# Altium PCB NumPad.PcbDoc (part 1 of 2)
Units mil, origin at the board's own origin, x right, y up, seen from the top; angles counter-clockwise.
Board outline 3157.48 x 3907.56 mil, 2 copper layers (Top Layer, Bottom Layer), stack 61.756 mil thick; 124 components, 83 nets, 462 pads, 233 vias.
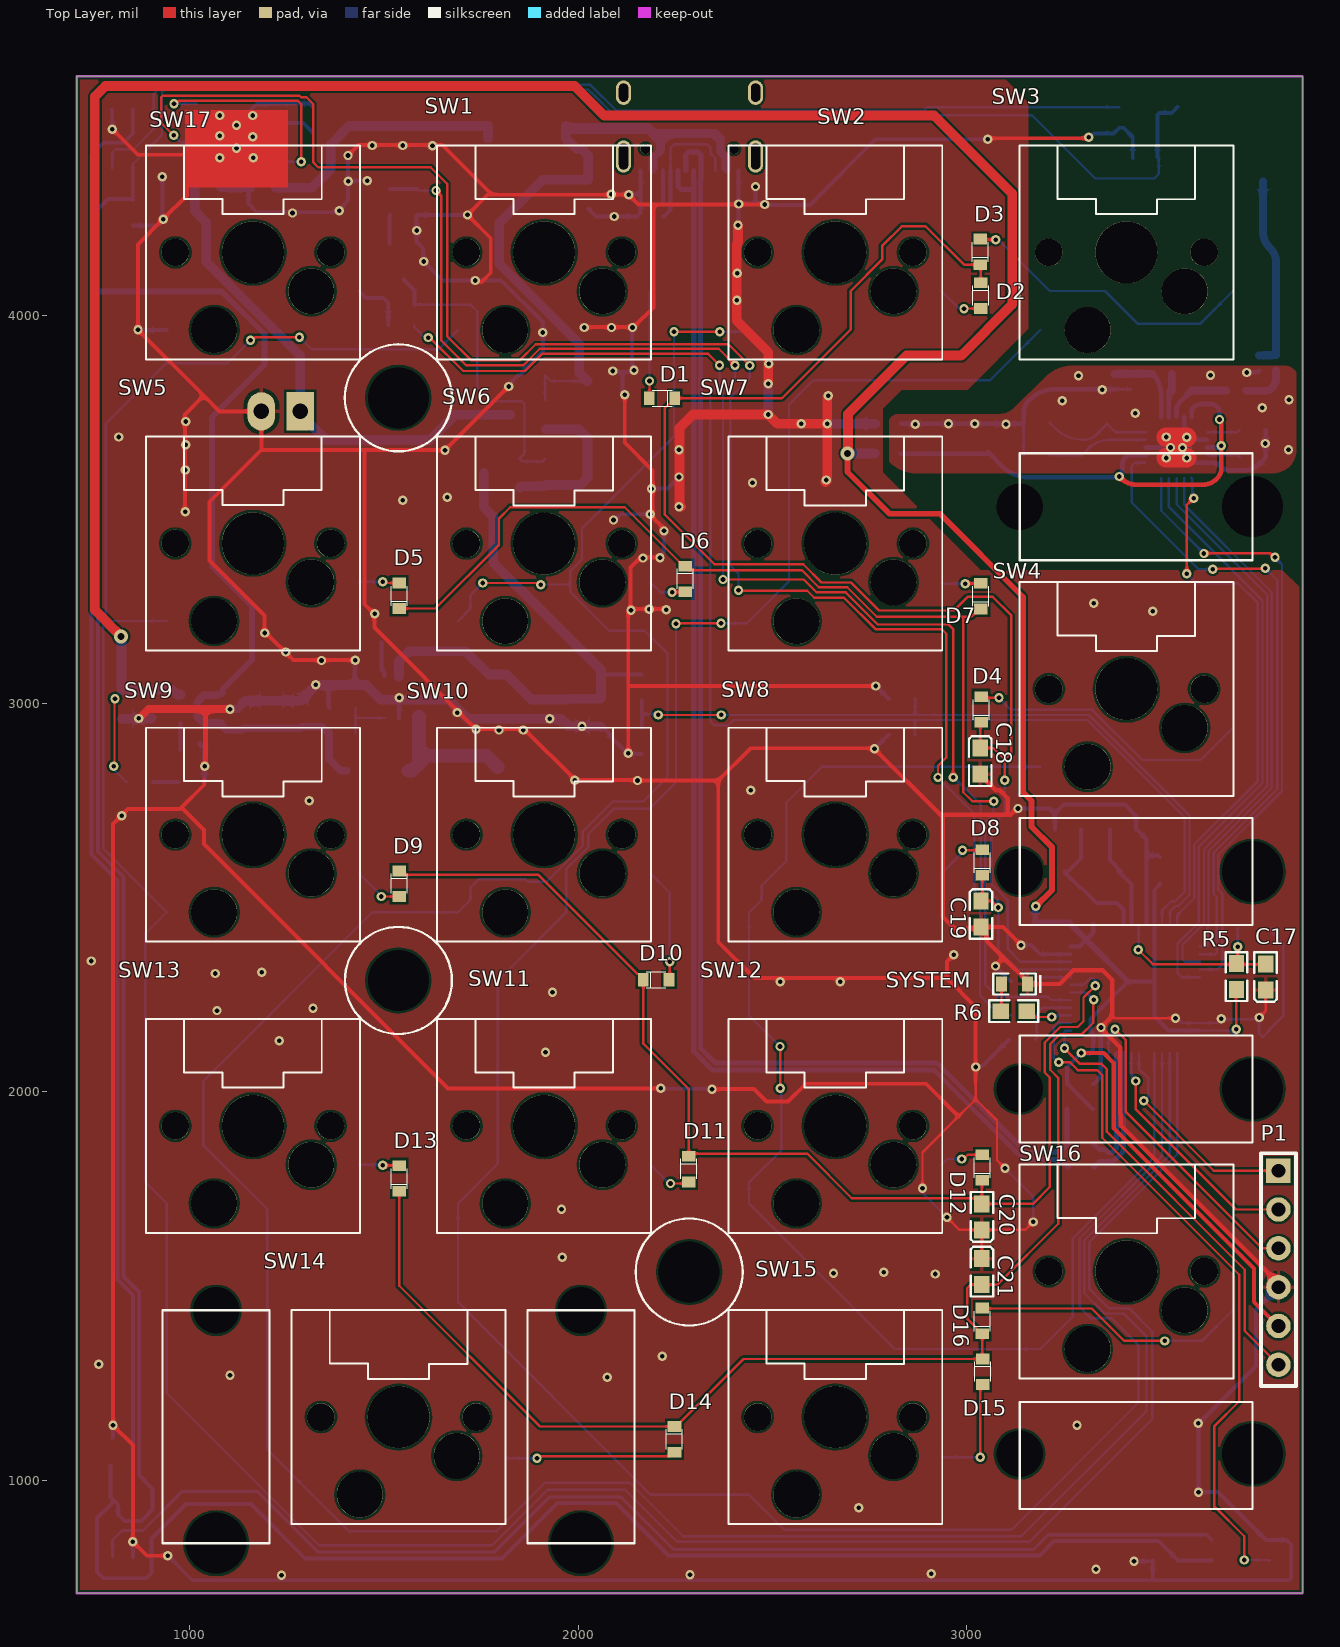
[diagram p0: Top Layer view]
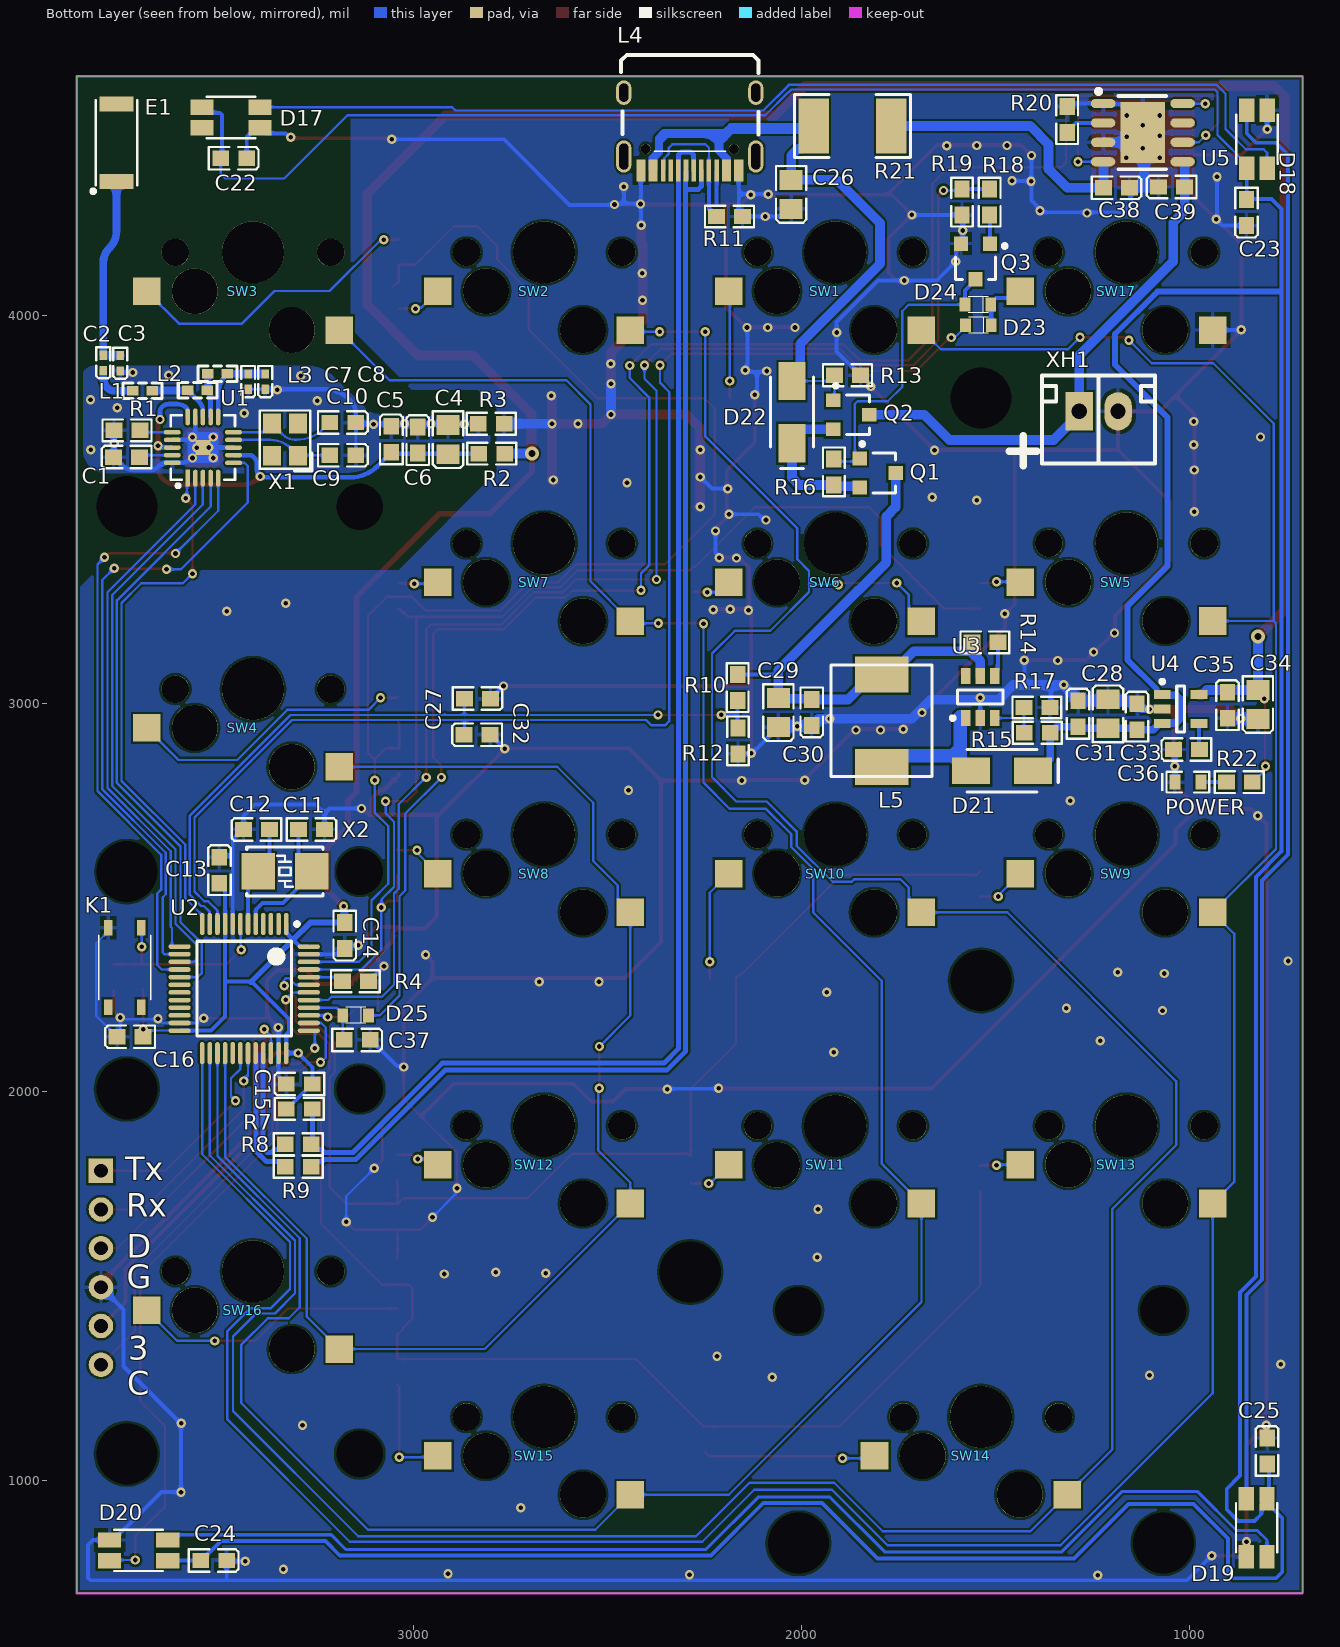
[diagram p1: Bottom Layer view, seen from below]
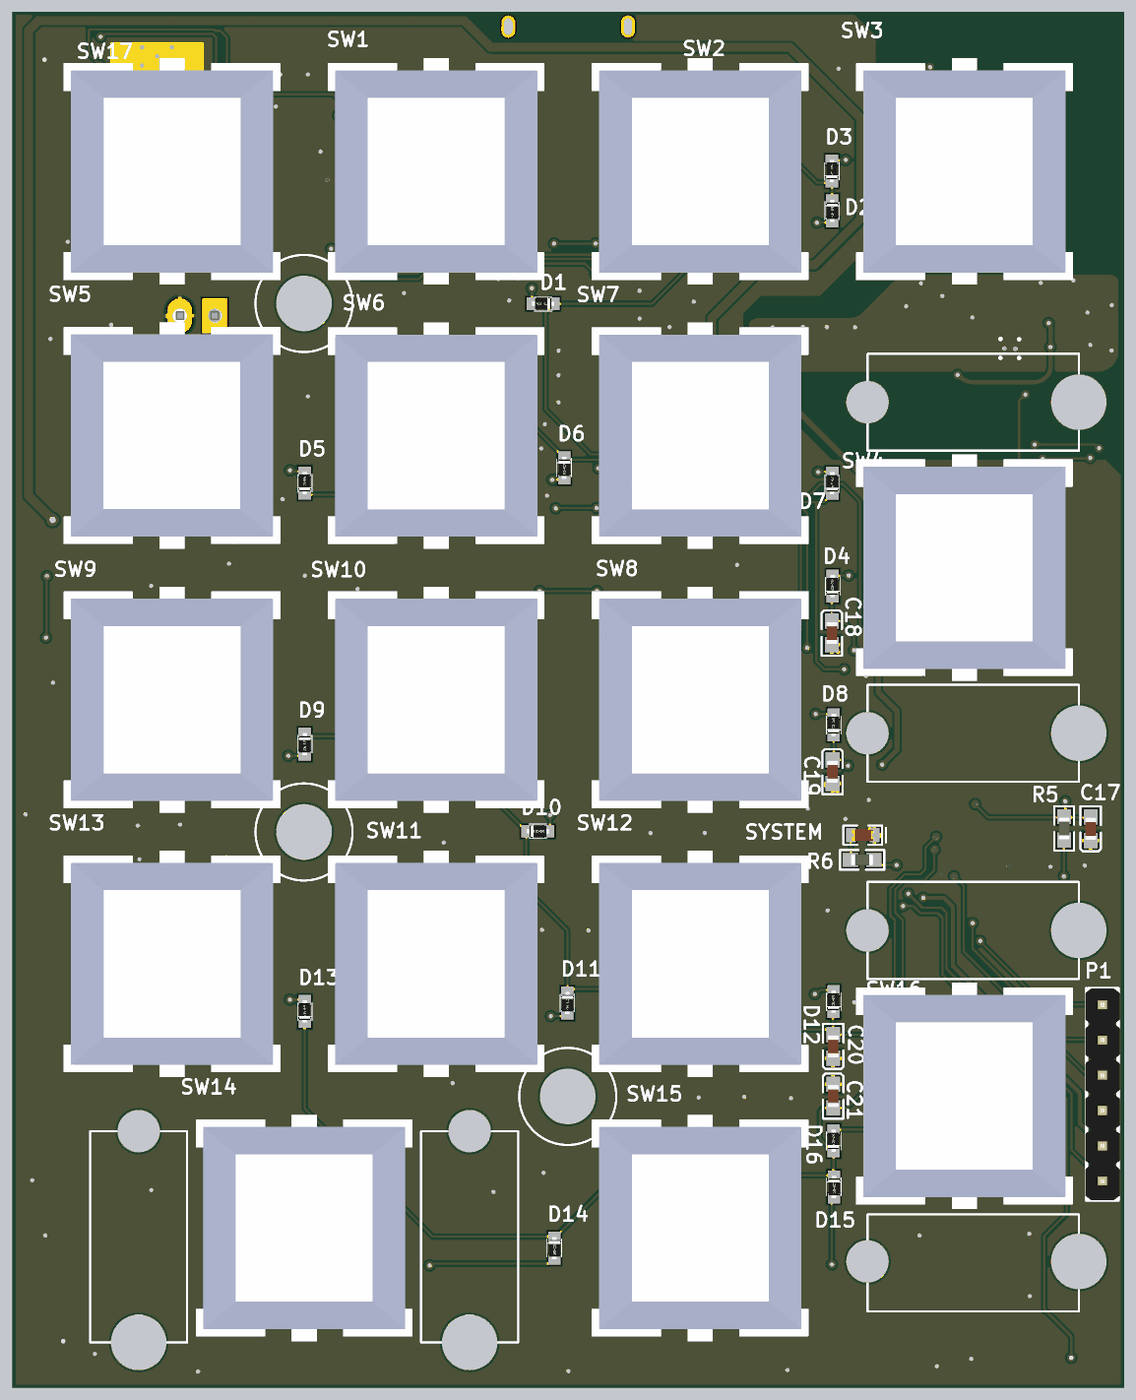
[diagram p3: 3D render of the assembled board from above, using the file's embedded part models]
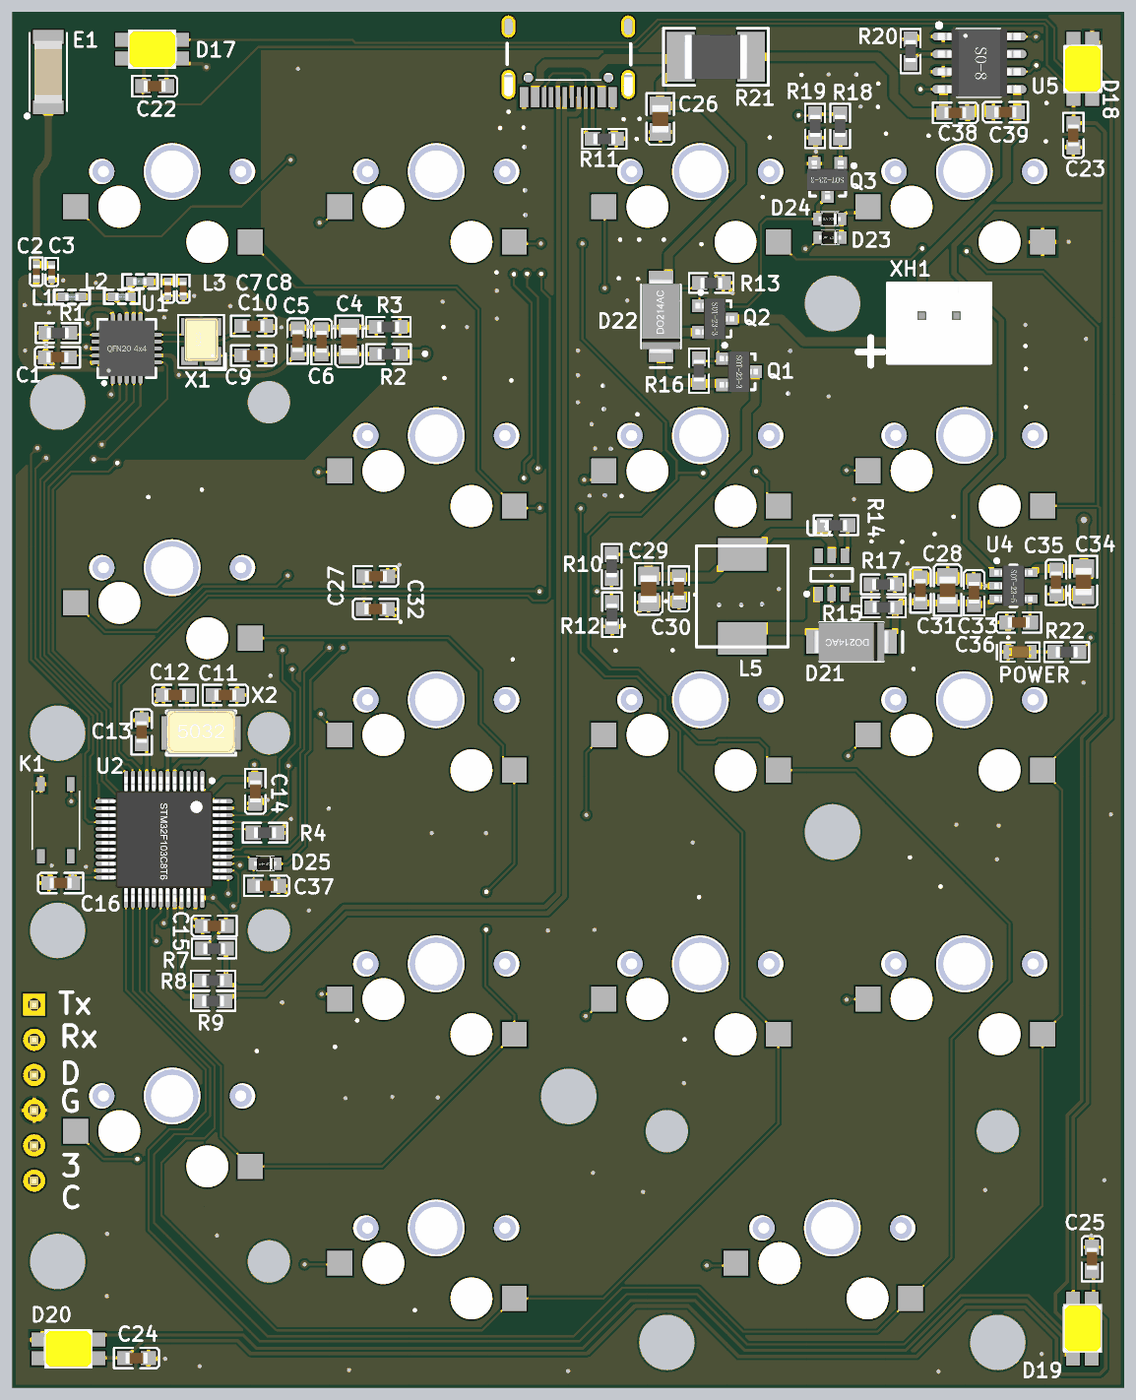
[diagram p4: 3D render of the assembled board from below, using the file's embedded part models]

## Layer stack, top to bottom
Top Solder: solder mask 1, SM-001, Dk 4
Top Layer: signal copper 1.378
Dielectric 1: core 59, Core-043, Dk 4.3
Bottom Layer: signal copper 1.378
Bottom Solder: solder mask 1, SM-001, Dk 4

## Board outline
708.66,708.66 708.66,4616.22 3866.14,4616.22 3866.14,708.66

## Design rules (kind name [scope] priority, off if disabled: settings)
Clearance [All] p1: gap=6 ignorepadtopadclearanceinfootprint=FALSE
DiffPairsRouting DiffPair_DiffPairsRouting [InDifferentialPair ('USBIN')] p1: maxlimit=5 minlimit=5 mostfreqgap=5 toplayer_minwidth=6 toplayer_maxwidth=20 toplayer_prefwidth=13 bottomlayer_minwidth=6 bottomlayer_maxwidth=20 bottomlayer_prefwidth=13 maxuncoupledlength=500
DiffPairsRouting DiffPair_DiffPairsRouting1 [InDifferentialPair ('USB_MCU_TYPEC')] p2: maxlimit=5 minlimit=5 mostfreqgap=5 toplayer_minwidth=6 toplayer_maxwidth=20 toplayer_prefwidth=13 bottomlayer_minwidth=6 bottomlayer_maxwidth=20 bottomlayer_prefwidth=13 maxuncoupledlength=500
DiffPairsRouting [All] p3: maxlimit=10 minlimit=10 mostfreqgap=10 toplayer_minwidth=15 toplayer_maxwidth=15 toplayer_prefwidth=15 bottomlayer_minwidth=15 bottomlayer_maxwidth=15 bottomlayer_prefwidth=15 maxuncoupledlength=500
HoleToHoleClearance [All] p1: gap=4 allowstackedmicrovias=TRUE
MatchedLengths DiffPair_MatchedLengths [InDifferentialPair ('USBIN')] p1: tolerance=1000 checknetsindiffpair=FALSE checkdiffpairvsdiffpair=TRUE checkxsignals=TRUE checkothers=TRUE
MatchedLengths DiffPair_MatchedLengths_1 [InDifferentialPair ('USB_MCU_TYPEC')] p2: tolerance=1000 checknetsindiffpair=FALSE checkdiffpairvsdiffpair=TRUE checkxsignals=TRUE checkothers=TRUE
MinimumSolderMaskSliver [All] p1: minsoldermaskwidth=4
PolygonConnect [All] p1: thpad.connectstyle=Relief thpad.reliefconductorwidth=10 thpad.reliefentries=4 thpad.polygonreliefangle="90 Angle" thpad.airgapwidth=10 smdpad.connectstyle=Relief smdpad.reliefconductorwidth=10 smdpad.reliefentries=4 smdpad.polygonreliefangle="90 Angle" smdpad.airgapwidth=10 via.connectstyle=Direct via.reliefconductorwidth=10 via.reliefentries=4 via.polygonreliefangle="90 Angle" via.airgapwidth=10
RoutingCorners [All] p1: cornerstyle=Round minsetback=100 maxsetback=100
RoutingVias [All] p1: holewidth=12 width=24 viastyle="Through Hole" minholewidth=12 minwidth=24 maxholewidth=25 maxwidth=50
SilkToSilkClearance [All] p1: silktosilkclearance=1
SilkToSolderMaskClearance [IsPad] p1: minsilkscreentomaskgap=1 clearancetoexposedcopper=TRUE
SolderMaskExpansion [All] p1: expansion=4 istentingtop=FALSE
Width [All] p1: maxlimit=50 minlimit=6 preferedwidth=6 minimp=50.000000 maximp=50.000000 favimp=50.000000
24 further rules are at their usual default settings.

## Classes and differential pairs
component class POWER: C26 C27 C28 C29 C30 C31 C32 C33 C34 C35 C36 C37 C38 C39 D21 D22 D23 D24 D25 L4 L5 POWER Q1 Q2 Q3 R7 R8 R9 R10 R11 R12 R13 R14 R15 R16 R17 R18 R19 R20 R21 R22 SW17 U3 U4 U5 XH1
component class NRF24L01: C1 C2 C3 C4 C5 C6 C7 C8 C9 C10 E1 L1 L2 L3 R1 R2 R3 U1 X1
component class MCU: C11 C12 C13 C14 C15 C16 C17 K1 P1 R4 R5 U2 X2
component class LED: C22 C23 C24 C25 D17 D18 D19 D20 R6 SYSTEM
component class KEY_Pad: C18 C19 C20 C21 D1 D2 D3 D4 D5 D6 D7 D8 D9 D10 D11 D12 D13 D14 D15 D16 SW1 SW2 SW3 SW4 SW5 SW6 SW7 SW8 SW9 SW10 SW11 SW12 SW13 SW14 SW15 SW16
differential pair USB_MCU_TYPEC: +USB_MCU_TYPEC_P -USB_MCU_TYPEC_N
differential pair USBIN: +USBIN_P -USBIN_N

## Components (designator, comment, footprint, x,y, rotation, side; value= is the part's Value field where it differs from the comment)
C1 "33nF" Cap-0603 3738,3635 r180 bottom
C2 "1.5pF" Cap-0402 3798,3878 r90 bottom
C3 "1pF" Cap-0402 3754,3877 r90 bottom
C4 "22uF" Cap-0805 2910,3680 r90 bottom
C5 "10nF" Cap-0603 3056,3681 r270 bottom
C6 "1nF" Cap-0603 2988,3679 r270 bottom
C7 "4.7nF" Cap-0402 3425,3829.68 r90 bottom
C8 "2.2nF" Cap-0402 3381,3829.68 r90 bottom
C9 "12pF" Cap-0603 3181,3640 r0 bottom
C10 "12pF" Cap-0603 3181,3724 r0 bottom
C11 "22pF" Cap-0603 3261.54,2676 r0 bottom
C12 "22pF" Cap-0603 3403.46,2676 r180 bottom
C13 "104" Cap-0603 3499,2571 r270 bottom
C14 "104" Cap-0603 3176,2402.46 r90 bottom
C15 "104" Cap-0603 3293,2020 r180 bottom
C16 "104" Cap-0603 3729,2142 r180 bottom
C17 "104" Cap-0603 3771,2296 r90 top
C18 "104" Cap-0603 3036,2852 r270 top
C19 "104" Cap-0603 3038,2458 r270 top
C20 "104" Cap-0603 3040,1678 r90 top
C21 "104" Cap-0603 3040,1537 r270 top
C22 "104" Cap-0603 3462,4405 r0 bottom
C23 "104" Cap-0603 853,4265 r90 bottom
C24 "104" Cap-0603 3513.54,793 r0 bottom
C25 "104" Cap-0603 800,1075 r270 bottom
C26 "22uF" Cap-0805 2026,4312 r90 bottom
C27 "104" Cap-0603 2834,3013 r0 bottom
C28 "22uF" Cap-0805 1210,2974 r270 bottom
C29 "22uF" Cap-0805 2059,2977 r90 bottom
C30 "104" Cap-0603 1973,2977.46 r90 bottom
C31 "104" Cap-0603 1287,2974 r270 bottom
C32 "104" Cap-0603 2835,2920 r180 bottom
C33 "104" Cap-0603 1135,2966.46 r270 bottom
C34 "22uF" Cap-0805 824,2998 r90 bottom
C35 "104" Cap-0603 902,2996 r270 bottom
C36 "10nf" Cap-0603 1008,2882 r180 bottom
C37 "104" Cap-0603 3144,2134 r0 bottom
C38 "104" Cap-0603 1188,4329 r0 bottom
C39 "104" Cap-0603 1046,4331 r180 bottom
D1 "1N4148" SOD-523 2191,3803.73 r0 top
D2 "1N4148" SOD-523 3020.27,4026 r90 top
D3 "1N4148" SOD-523 3052.73,4189 r270 top
D4 "1N4148" SOD-523 3055,3010 r270 top
D5 "1N4148" SOD-523 1555.73,3303 r270 top
D6 "1N4148" SOD-523 2259.27,3296 r90 top
D7 "1N4148" SOD-523 3054,3302 r270 top
D8 "1N4148" SOD-523 3058,2616 r270 top
D9 "1N4148" SOD-523 1522.27,2511 r90 top
D10 "1N4148" SOD-523 2226,2272.27 r180 top
D11 "1N4148" SOD-523 2268.27,1776 r90 top
D12 "1N4148" SOD-523 3057.73,1830 r270 top
D13 "1N4148" SOD-523 1556,1802 r270 top
D14 "1N4148" SOD-523 2231.27,1080 r90 top
D15 "1N4148" SOD-523 3025.27,1254 r90 top
D16 "1N4148" SOD-523 3057.73,1435 r270 top
D17 "WS2812" RGB_LED_1206 3469,4510 r0 bottom
D18 "WS2812" RGB_LED_1206 826,4454 r270 bottom
D19 "WS2812" RGB_LED_1206 827,877 r90 bottom
D20 "WS2812" RGB_LED_1206 3707,819 r180 bottom
D21 "SS34" Doide-SMA 1483,2827 r180 bottom
D22 "SS34" Doide-SMA 2024,3751 r270 bottom
D23 "1N4148" SOD-523 1569,3991.73 r180 bottom
D24 "1N4148" SOD-523 1570,4044.73 r180 bottom
D25 "1N4148" SOD-523 3173,2213.73 r180 bottom
E1 "ANT" AN2051-245 3764,4445 r90 bottom
K1 "KEY_4P" SW-SMD-3X4X2.5 3742.68,2320.36 r90 bottom locked
L1 "3.9nH" L-0402 3672,3806 r0 bottom
L2 "8.2nH" L-0402 3530,3807 r0 bottom
L3 "2.7nH" L-0402 3529,3850 r180 bottom
L4 "Micro-USB3.1_TYPE-C" USB3.0-TYPEC-12P 2161.09,4373.41 r270 bottom locked
L5 "4.7uH" L-MHC0603 1793,2956 r90 bottom
P1 "Debug_Header" "Header 2.54X6" 3804,1547 r270 top
POWER "POWER" LED_0603_R 1004,2798 r0 bottom (schematic designator RED1)
Q1 "CJ3401" SOT23-3 1803,3594 r270 bottom
Q2 "CJ3401" SOT23-3 1871,3744 r270 bottom
Q3 "SI2302" SOT23-3 1551,4139 r0 bottom
R1 "22K 1%" Res-0603 3737,3704 r180 bottom
R2 "0R" Res-0603 2797.54,3644 r0 bottom
R3 "0R" Res-0603 2798.54,3721 r0 bottom
R4 "10K" Res-0603 3148.54,2285 r180 bottom
R5 "10K" Res-0603 3696,2297 r270 top
R6 "4.7K" Res-0603 3122,2208 r0 top
R7 "1K5" Res-0603 3293,1956 r180 bottom
R8 "22R" Res-0603 3296,1865 r180 bottom
R9 "22R" Res-0603 3296,1807 r180 bottom
R10 "10K/1%" Res-0603 2164,3041.46 r90 bottom
R11 "5K1" Res-0603 2185,4255 r0 bottom
R12 "10K/1%" Res-0603 2163,2904 r90 bottom
R13 "10K" Res-0603 1881,3846 r180 bottom
R14 "10K" Res-0603 1527,3158 r180 bottom
R15 "73.2K/1%" Res-0603 1392,2925 r180 bottom
R16 "100K" Res-0603 1916,3597 r90 bottom
R17 "10K/1%" Res-0603 1393,2990 r0 bottom
R18 "1K" Res-0603 1515,4292 r270 bottom
R19 "10K" Res-0603 1586,4292 r270 bottom
R20 "2K" Res-0603 1315,4504.46 r90 bottom
R21 "0.39R" Res-1812 1868,4488 r180 bottom
R22 "4.7K" Res-0603 871.54,2798 r180 bottom
SW1 "/" MX_SW-4 1912.37,4162.43 r0 top locked
SW2 "*" MX_SW-4 2662.37,4162.43 r0 top locked
SW3 "-" MX_SW-4 3412.37,4162.43 r0 top locked
SW4 "+" MX_SW-4 3412.37,3037.43 r0 top locked
SW5 "7" MX_SW-4 1162.11,3412.93 r0 top locked
SW6 "8" MX_SW-4 1912.37,3412.43 r0 top locked
SW7 "9" MX_SW-4 2662.37,3412.43 r0 top locked
SW8 "6" MX_SW-4 2662.37,2662.43 r0 top locked
SW9 "4" MX_SW-4 1162.37,2662.43 r0 top locked
SW10 "5" MX_SW-4 1912.37,2662.43 r0 top locked
SW11 "2" MX_SW-4 1912.37,1912.42 r0 top locked
SW12 "3" MX_SW-4 2662.37,1912.42 r0 top locked
SW13 "1" MX_SW-4 1162.37,1912.43 r0 top locked
SW14 "0" MX_SW-4 1537.38,1162.43 r0 top locked
SW15 "." MX_SW-4 2662.37,1162.43 r0 top locked
SW16 "Enter" MX_SW-4 3412.37,1537.42 r0 top locked
SW17 "Num" MX_SW-4 1162.38,4162.43 r0 top locked
SYSTEM "LED_SYSTEM" LED_0603_R 3124,2278 r0 top (schematic designator PINK1)
U1 "NRF24R01" "QFN20 4x4" 3541.37,3659.74 r90 bottom
U2 "STM32F103C8T6" STM32F103C8T6 3435,2266 r270 bottom
U3 "SX1308" SX1308 1539,3017 r90 bottom
U4 "SPX3819" SOT23-5 1023,2986 r180 bottom
U5 "TP4056" TP4056 1222.36,4546 r270 bottom
X1 "16M" "OSC 3225-4P" 3330,3680 r90 bottom
X2 "8M" "OSC 5032-2P" 3330,2568 r180 bottom
XH1 "BAT_IN" XH2/2.54mm/180 1284,3753 r180 bottom

## Footprints (in the part's own frame and the unit in brackets; to place one, negate y for a bottom-side part, rotate by r counter-clockwise, add the part's x,y. Pads: shape width x height; smd on the part's side, far side on the other; paste and mask are expansions set on the pad)
AN2051-245 [mm] "2.5G陶瓷天线"
  rect 1x2.2 smd: 0(2.54,0) 1(-2.54,0)
  silkscreen extent -3.3,-1.35 2.8,1.65, body extent -2.25,-1 2.25,1, height 0.88
Cap-0402 [mm]
  rect 0.6x0.5 smd: 1(-0.5,0) 2(0.5,0)
  silkscreen extent -1.02,-0.46 1.02,0.46, body extent -0.5,-0.25 0.5,0.25, height 0.5
Cap-0603 [mm]
  rect 1.1x1 smd: 1(-0.85,0) 2(0.85,0)
  silkscreen extent -1.63,-0.74 1.63,0.74, body extent -0.8,-0.4 0.8,0.4, height 0.6
Cap-0805 [mm]
  rect 1.3x1.5 smd: 1(-0.95,0) 2(0.95,0)
  silkscreen extent -1.85,-0.99 1.85,0.99, body extent -1,-0.6 1,0.6, height 0.95
Doide-SMA [mm] "贴片二极管"
  rect 2.5x1.75 smd: A(-2.032,0) K(2.032,0)
  silkscreen extent -2.29,-1.4 3.68,1.4, body extent -2.74,-1.4 2.74,1.4, height 2.27
"Header 2.54X6" [mm]
  rect 1.6x1.6 hole 0.9: 1(-6.35,0)
  round 1.6 hole 0.9: 2(-3.81,0) 3(-1.27,0) 4(1.27,0) 5(3.81,0) 6(6.35,0)
  silkscreen extent -7.49,-1.14 7.75,1.14, body extent -7.49,-1.23 7.75,1.27, height 8.3
L-0402 [mil] "小功率贴片电感"
  rect 30x25 smd: 1(0,0) 2(50,0)
  silkscreen extent -25,-20 75,20, body extent 5,-10 45,10, height 20
L-MHC0603 [mm]
  rect 2.35x3.5 smd: 1(-3.025,0) 2(3.025,0)
  silkscreen extent -3.65,-3.3 3.65,3.3, body extent -3.65,-3.3 3.65,3.3, height 3
LED_0603_R [mm]
  rect 0.7x1 smd: 1(-0.85,0) 2(0.85,0)
  silkscreen extent -1.4,-0.69 1.75,0.69, body extent -0.8,-0.4 0.8,0.41, height 0.61
MX_SW-4 [mm] "with Fixation pins  1-Pole"
  rect 1.8x1.8 smd far side: 1(6.96,-2.54) 2(-5.64,-5.08)
  round 1.8 hole 1.8: ""(-5.08,0) ""(5.08,0)
  round 3 hole 3: ""(-2.54,-5.08) ""(3.81,-2.54)
  round 4.064 hole 4.064: ""(0,0)
  silkscreen extent -7,-7 7,7, body extent -9,-8.98 9,9.02, height 23.25
"OSC 3225-4P" [mm]
  rect 1.3x1.2 smd: 1(-1.05,-0.85) 2(1.05,-0.85) 3(1.05,0.85) 4(-1.05,0.85)
  silkscreen extent -2.03,-1.75 1.91,1.65, body extent -1.47,-1.27 1.73,1.23, height 0.7
"OSC 5032-2P" [mm]
  rect 2.2x2.4 smd: 1(-1.75,0) 2(1.75,0)
  silkscreen extent -2.5,-1.6 2.5,1.6, body extent -2.5,-1.52 2.5,1.68, height 0.86
"QFN20 4x4" [mm]
  rect 1.1x0.3 smd: 1(-2,1)
  oval 1.1x0.3 smd: 2(-2,0.5) 3(-2,0) 4(-2,-0.5) 5(-2,-1) 11(2,-1) 12(2,-0.5) 13(2,0) 14(2,0.5) 15(2,1)
  oval 0.3x1.1 smd: 6(-1,-2) 7(-0.5,-2) 8(0,-2) 9(0.5,-2) 10(1,-2) 16(1,2) 17(0.5,2) 18(0,2) 19(-0.5,2) 20(-1,2)
  rect 1x1 smd: 21(0,0)
  Top Layer region: 1,1 1,-1 -1,-1 -1,0.75 -0.75,1
  silkscreen extent -2.6,-2.11 2.11,2.11, body extent -2,-2.01 2.02,2.01, height 0.98
Res-0603 [mm]
  rect 1.1x1 smd: 1(-0.85,0) 2(0.85,0)
  silkscreen extent -1.6,-0.71 1.6,0.71, body extent -0.8,-0.4 0.8,0.4, height 0.38
Res-1812 [mm]
  rect 2x3.6 smd: 1(-2.54,0) 2(2.54,0)
  silkscreen extent -3.78,-2.06 3.78,2.06, body extent -2.25,-1.6 2.25,1.6, height 0.7
RGB_LED_1206 [mm]
  rect 1.524x1 smd: 1(-1.9,0.675) 2(-1.9,-0.675) 3(1.9,-0.675) 4(1.9,0.675)
  silkscreen extent -1.6,-1.35 1.6,1.35, body extent -1.76,-1.4 1.76,1.4, height 0.72
SOD-523 [mm] "塑封二极管"
  rect 0.7x0.9 smd: A(-0.203,-0.425) K(1.473,-0.425)
  silkscreen extent 0,-0.95 1.3,0.1, body extent -0.16,-0.83 1.44,-0.03, height 0.65
SOT23-3 [mm]
  rect 0.9x0.95 smd: 1(-0.95,-1.175) 2(0.95,-1.175) 3(0,1.175)
  silkscreen extent -2.03,-1.14 1.3,1.18, body extent -1.45,-1.4 1.45,1.4, height 1.2
SOT23-5 [mm]
  rect 1.1x0.6 smd: 1(-1.2,0.95) 2(-1.2,0) 3(-1.2,-0.95) 4(1.2,-0.95) 5(1.2,0.95)
  silkscreen extent -1.33,-1.5 0.25,1.92, body extent -1.4,-1.45 1.4,1.45, height 1.2
STM32F103C8T6 [mm] "QFP, 100-Leads, Body 14.00x20.00mm, Pitch 0.65mm, IPC Medium Density"
  oval 1.45x0.3 smd: 1(-4.225,2.75) 2(-4.225,2.25) 3(-4.225,1.75) 4(-4.225,1.25) 5(-4.225,0.75) 6(-4.225,0.25) 7(-4.225,-0.25) 8(-4.225,-0.75) 9(-4.225,-1.25) 10(-4.225,-1.75) 11(-4.225,-2.25) 12(-4.225,-2.75) 25(4.225,-2.75) 26(4.225,-2.25) 27(4.225,-1.75) 28(4.225,-1.25) 29(4.225,-0.75) 30(4.225,-0.25) 31(4.225,0.25) 32(4.225,0.75) 33(4.225,1.25) 34(4.225,1.75) 35(4.225,2.25) 36(4.225,2.75)
  oval 0.3x1.45 smd: 13(-2.75,-4.225) 14(-2.25,-4.225) 15(-1.75,-4.225) 16(-1.25,-4.225) 17(-0.75,-4.225) 18(-0.25,-4.225) 19(0.25,-4.225) 20(0.75,-4.225) 21(1.25,-4.225) 22(1.75,-4.225) 23(2.25,-4.225) 24(2.75,-4.225) 37(2.75,4.225) 38(2.25,4.225) 39(1.75,4.225) 40(1.25,4.225) 41(0.75,4.225) 42(0.25,4.225) 43(-0.25,4.225) 44(-0.75,4.225) 45(-1.25,4.225) 46(-1.75,4.225) 47(-2.25,4.225) 48(-2.75,4.225)
  silkscreen extent -4.35,-3.1 3.1,3.57, body extent -4.5,-4.5 4.5,4.5, height 1.6
SW-SMD-3X4X2.5 [mm]
  rect 1x0.55 smd: 1(-2.6,1.075) 2(-2.6,-1.075) 3(2.6,-1.075) 4(2.6,1.075)
  silkscreen extent -2.1,-1.7 2.1,1.7, body extent -2.16,-1.75 2.16,1.78, height 0.55
SX1308 [mm]
  rect 1.05x0.6 smd: 1(-1.375,0.95) 2(-1.375,0) 3(-1.375,-0.95) 4(1.375,-0.95) 5(1.375,0) 6(1.375,0.95)
  silkscreen extent -1.5,-1.5 0.45,1.93, body extent -0.85,-1.5 0.85,1.5, height 1.45
TP4056 [mm]
  oval 0.6x1.6 smd: 1(0,0) 2(1.27,0) 3(2.54,0) 4(3.81,0) 5(3.81,5.2) 6(2.54,5.2) 7(1.27,5.2) 8(0,5.2)
  rect 4x2.9 smd: 9(1.905,2.6)
  silkscreen extent -0.94,-0.45 4.31,4.1, body extent -0.55,-0.4 4.35,5.6, height 1.7
USB3.0-TYPEC-12P [mm]
  oval 1.6x1 hole 0.6 slot 1.2 at 0 deg: 0(-5.095,-7.52) 0(-5.095,1.12)
  oval 2.1x1 hole 0.6 slot 1.7 at 0 deg: 0(-0.915,-7.52) 0(-0.915,1.12)
  round 0.66 hole 0.66: 4(-1.415,-6.09) 4(-1.415,-0.31)
  rect 1.45x0.6 smd: A1B12(0,0) A4B9(0,-0.8) B1A12(0,-6.4) B4A9(0,-5.6)
  rect 1.45x0.3 smd: A5(0,-1.95) A6(0,-2.95) A7(0,-3.45) A8(0,-4.45) B5(0,-4.95) B6(0,-3.95) B7(0,-2.45) B8(0,-1.45)
  silkscreen extent -7.57,-7.7 -1.25,1.3
XH2/2.54mm/180 [mm]
  rect 1.8x2.5 hole 1: 1(0,0)
  oval 1.8x2.5 hole 1: 2(2.54,0)
  silkscreen extent -2.43,-3.4 4.97,2.35, body extent -2.43,-3.4 4.97,2.35, height 7

## Part data
C1 C2 C3 C4 C5 C6 C7 C8 C9 C10 C11 C12 C13 C14 C15 C16 C17 C18 C19 C20 C21 C22 C23 C24 C25 C26 C27 C28 C29 C30 C31 C32 C33 C34 C35 C37 C38 C39: library part CAP, "贴片陶瓷电容"
C36: library part Cap
D1 D2 D3 D4 D5 D6 D7 D8 D9 D10 D11 D12 D13 D14 D15 D16 D21 D22 D23 D24 D25: library part DIODE, "普通二极管"
L1 L2 L3: library part INDUCTOR, "贴片电感"
L5: library part INDUCTOR-SMD, "贴片屏蔽电感"
P1: library part Header_6
POWER: library part LED_SMD_RED, "发光二极管", Package=0603, SuppliersPartNumber=C2286, ComponentLink1Description=供应商链接, ComponentLink1URL=http://www.szlcsc.com/product/details_2659.html, Supplier=LC
Q1 Q2: library part MOSFET-P2, "P-Channel MOSFET", PackageDocument=1995/1996, LatestRevisionDate=17-Jul-2002, LatestRevisionNote="Re-released for DXP Platform.", PackageReference=E3, Published=8-Jun-2000, Publisher="Altium Limited"
Q3: library part MOSFET-N2, "N-Channel MOSFET", PackageDocument=1995/1996, LatestRevisionDate=17-Jul-2002, LatestRevisionNote="Re-released for DXP Platform.", PackageReference=E3, Published=8-Jun-2000, Publisher="Altium Limited"
R1 R2 R3 R4 R5 R6 R7 R8 R9 R10 R11 R12 R13 R14 R15 R16 R17 R18 R19 R20 R21 R22: library part RES, "贴片电阻"
SW1 SW2 SW3 SW4 SW5 SW6 SW7 SW8 SW9 SW10 SW11 SW12 SW13 SW14 SW15 SW16 SW17: library part MX_SW-4, "with Fixation pins  1-Pole"
SYSTEM: library part LED_SMD_PINK, "发光二极管", Package=0603, SuppliersPartNumber=C2286, ComponentLink1Description=供应商链接, ComponentLink1URL=http://www.szlcsc.com/product/details_2659.html, Supplier=LC
U1: "2.4G无线"
U2: "ARM Cortex-M3 32-bit MCU, 64 KB Flash, 20 KB Internal RAM, 37 I/Os, 48-pin LQFP, -40 to 85 degC, Tray", I/Os (High Current)=37, Operating Frequency(F) (Processor speed) (MHz)=72, Supplier Part Number 1=497-6063-ND, Supply Voltage(Vcc) min (V)=2, A/D Converter="2x12-bit (10 Channel)", ComponentLink1Description="Manufacturer URL", ComponentLink1URL=http://www.st.com/web/en/home.html, ComponentLink2Description=Datasheet, ComponentLink2URL=http://www.st.com/st-web-ui/static/active/en/resource/technical/document/datasheet/CD00161566.pdf, ComponentLink3Description="Package Specification", ComponentLink3URL=http://www.st.com/st-web-ui/static/active/en/resource/technical/document/datasheet/DM00058181.pdf, Core="ARM Cortex-M3", DatasheetVersion="Rev. 16", FLASH Size (Prog) (kB)=64, Internal RAM Size (kB)=20, Mounting Technology="Surface Mount", PackageDescription="48-Pin Low Profile Quad Flat Package, 7 x 7 mm Body, 0.5 mm Pitch", PackageReference=LQFP48, PackageVersion="Rev. 6, 06/2013", Packing=Tray, PartNumber=STM32F103C8T6, Supplier 1=Digi-Key, Supplier 2=Farnell, Supplier 3=Newark, Supplier 4=Newark, Supplier 5=Mouser, Supplier Part Number 2=1447637, Supplier Part Number 3=59M2182, Supplier Part Number 4=57P1222, Supplier Part Number 5=511-STM32F103C8T6
U5: library part tp4056
X1: library part XTAL-4P, "4脚无源晶振"
X2: library part XTAL-2P, "2脚无源脚晶振"
XH1: library part XH2
D17 D18 D19 D20: PackageReference=RGB_LED_5050, Published=8-August-2017, Publisher=mazhongwei
E1: PackageReference=R_1206, Published=12-August-2017, Publisher=mazhongwei

## Free pads (board coordinates)
  round 0 hole 120: 0(1067.37,1437.43) 0(3137.37,1067.42) 0(3137.37,2567.43) 3(2007.37,1437.43) 3(3137.37,2007.42) 3(3137.37,3507.43)
  round 78.74 hole 157.48: 0(1536.9,3787.77) 0(1537,2287) 0(2286,1536)
  round 0 hole 157: 1(1067.37,837.43) 1(3737.37,1067.42) 1(3737.37,2567.43) 4(2007.37,837.43) 4(3737.37,2007.42) 4(3737.37,3507.43)

## Via types
v1: diameter 24, hole 12, Top Layer to Bottom Layer, tented both sides, 231 vias
v2: diameter 36, hole 18, Top Layer to Bottom Layer, tented both sides, 2 vias

## Nets (pads, with @x,y where several pads share a name; then routed paths per layer and width w, separated by ;. In a path a pad name is that pad's centre, name@x,y a point inside that pad or via, vN(x,y) a via of type N, cw(c..) or ccw(c..) an arc to the next point about the centre after c; other vN are vias at no path point)
3V3: C13.2 C14.2 C15.2 C16.2 C34.2 C35.1 P1.5 R2.1 R5.2 R7.1 R22.2 U2.1 U2.9 U2.24 U2.36 U2.48 U4.5 | length 9531
  Top Layer w6: v1(804,2839) 805.5,2840.5 805.5,3011.5 v1(807,3013) ; v1(3695,2161) 3695,2262.54 R5.2@3696,2263.54
  Top Layer w11: v1(3296,2100) 3354,2100 3379.5,2074.5 3379.5,1906.5 3741,1545 3741,1459 3803,1397 P1.5@3804,1397
  Top Layer w15: v2(2694,3645) 2694,3597 2802,3489 2932,3489 3146,3275 3146,2772 3168,2750 3168,2683 3221,2630 3221,2520 v1(3179,2478)
  Top Layer w25: v2(823,3173) 755,3241 755,4564 782,4591 1991,4591 2067,4515 2917,4515 3118,4314 3118,4028 2987,3897 2846,3897 2695,3746 2695,3646 v2(2694,3645)
  Bottom Layer w6: v1(804,2839) 807.44,2835.56 807.44,2826.66 836.1,2798 R22.2@838.07,2798 ; C34.2@820.06,3035.4 C34.2@824,3035.4 ; U2.36@3326.39,2100 U2.36@3326.73,2099.66 ; U2.24@3601.34,2157.73 3601.61,2158 3679.54,2158 C16.2@3695.54,2142 3695.54,2164.68 3695,2164.68 v1(3695,2161)
  Bottom Layer w10: v1(3296,2100) 3259.54,2063.54 C15.2@3259.54,2020 3261.5,2020 3276.19,2005.31 3276.19,2004.31 3324.5,1956 R7.1@3326.46,1956 ; U2.36@3326.73,2099.66 U2.36@3326.73,2122.79 ; C13.2@3499,2537.54 3499,2535.57 3484.21,2520.78 U2.9@3484.21,2432.34 3484.21,2193.79 3520.27,2157.73 U2.24@3601.34,2157.73
  Bottom Layer w11: U2.48@3268.66,2374.27 3291.3,2374.27 3309.02,2391.98 3326.73,2409.7 U2.1@3326.73,2432.34 ; v1(3296,2100) U2.36@3326.39,2100 ; U2.36@3326.73,2122.79 3326.73,2148.04 3319.64,2155.13 3319.64,2187.64 3416.5,2284.5 3480,2284.5
  Bottom Layer w15: v1(3179,2478) 3177.5,2476.5 3177.5,2437.43 C14.2@3176,2435.93 3265.07,2435.93 3309.02,2391.98 3416.5,2284.5 3418,2283
  Bottom Layer w25: v2(823,3173) 823.5,3172.5 823.5,3035.9 C34.2@824,3035.4 955.29,3035.4 967.29,3023.4 U4.5@975.76,3023.4 ; v2(2694,3645) 2694.5,3644.5 2763.57,3644.5 R2.1@2764.07,3644
5V: C22.2 C23.2 C24.2 C25.2 C28.2 C31.2 C33.2 D17.3 D18.3 D19.3 D20.3 D21.K R15.2 U4.1 U4.3 | length 12494.6
  Bottom Layer w6: D18.3@852.57,4379.2 852.57,4389.51 927.99,4464.92 927.99,4575.01 934.97,4582 2025.17,4582 2032.66,4574.51 2034.51,4574.51 2093.03,4516 3169,4516 3332,4353 3484,4353 3495.46,4364.46 C22.2@3495.46,4405
  Bottom Layer w10: C25.2@795.54,1037 795.54,956.69 D19.3@800.43,951.8 ; D18.3@852.57,4379.2 C23.2@852.57,4298.89 ; C23.2@853,4298.46 C23.2@852.57,4298.89 ; C22.2@3495.46,4405 3492,4408.46 3492,4516.03 3497.86,4521.89 3529.12,4521.89 D17.3@3543.8,4536.57 ; D20.3@3632.2,792.43 3631.62,793 C24.2@3547,793 3545.03,793 3495.03,843 3226,843 3189,806 2233,806 2098,941 1947,941 1804,798 1297,798 1157.14,937.86 989.86,937.86 901,849 901,761 887,747 777,747 761,763 761,902.06 800.43,941.49 D19.3@800.43,951.8 ; D19.3@800.43,951.8 815.11,937.12 815.11,911.89 832,895 875,895 904,924 904,977 869.57,1011.43 869.57,1483.43 829,1524 829,2553.96 763.96,2619 763,2619 763,4274 789,4300 851.46,4300 C23.2@852.57,4298.89
  Bottom Layer w15: 765.5,4062 1082,4062 1192,3952 1192,3873 1057,3738 1057,3354 1160,3251 1160,3113.16 1084.4,3037.56 1084.4,3027.71 1080.09,3023.4 U4.1@1070.24,3023.4
  Bottom Layer w20: U4.1@1070.24,3023.4 1068.43,3021.59 1034.9,3021.59 1025,3011.69 1025,3009 1019,3003 1019,2966 1034.59,2950.41 1068.43,2950.41 U4.3@1070.24,2948.6 1080.09,2948.6 1081.9,2946.79 1081.9,2944.72 1093.61,2933 C33.2@1135,2933 1138.77,2936.77 1283.23,2936.77 C31.2@1287,2940.54 1341.03,2940.54 1356.57,2925 R15.2@1358.54,2925 1358.54,2856.7 1388.24,2827 D21.K@1403,2827
ADC_BAT_MCU: C27.2 R10.1 R12.2 U2.11 | length 1940.8
  Top Layer w6: v1(2206,2971) v1(2369,2971)
  Bottom Layer w6: 2164,2973 2204,2973 v1(2206,2971) ; v1(2369,2971) 2868,2971 ; C27.2@2867.46,3013 2868,3012.46 2868,2971 ; 2918.46,2973.46 2916,2971 ; U2.11@3523.58,2432.34 3524.69,2433.45 3524.69,2464.69 3539,2479 3546,2479 3575,2508 3575,2712 3316,2971 2916,2971 ; 2868,2971 2916,2971
  Bottom Layer w10: R12.2@2163,2937.46 2164,2938.46 2164,2973 R10.1@2164,3008
BAT_IN: C39.2 Q2.3 U5.5 XH1.1 | length 1366.5
  Bottom Layer w25: U5.5@1017.64,4396 1013.22,4396 1012.54,4395.31 C39.2@1012.54,4331 1012.54,4269.46 1042,4240 1042,4139 1284,3897 1284,3739.22 1306.93,3716.29 1312.71,3716.29 1350,3679 1618,3679 1683,3744 Q2.3@1824.74,3744
CHARGE_DETECT_TP4056_MCU: C37.2 D25.A U2.40 | length 162.6
  Bottom Layer w6: C37.2@3177.46,2134 3181,2137.54 D25.A@3181,2197 3181,2200.94 3196.85,2216.79 U2.40@3268.66,2216.79
CHARGE_IN: C38.2 R21.2 U5.4 U5.8 | length 1355.6
  Top Layer w6: v1(959,4545) 963.51,4545 971.51,4553 1278,4553 1287,4544 v1(1287,4396)
  Bottom Layer w6: v1(959,4545) 959.5,4545.5 1017.14,4545.5 U5.8@1017.64,4546 ; U5.4@1222.15,4396 U5.4@1222.36,4396 v1(1287,4396)
  Bottom Layer w25: U5.4@1222.15,4396 1221.46,4395.31 C38.2@1221.46,4329 1315,4329 1363,4377 1363,4441 1410,4488 R21.2@1768,4488 R21.2@1768,4456.5
DI_MCU_WS2812: D20.2 U2.38 | length 1795.5
  Top Layer w6: v1(3238.36,2076.58) 3266.42,2076.58 3287,2056 3337,2056 3350,2043 3350,1882 3703,1529 3703,1203 3639,1139 3639,932 ; 3638,927 3639,928 3639,932 ; v1(3716,794) 3716,855 3639,932
  Bottom Layer w6: v1(3238.36,2076.58) 3236.42,2076.58 3225,2088 3225,2166 3236.42,2177.42 U2.38@3268.66,2177.42 ; v1(3716,794) 3780.23,794 D20.2@3781.8,792.43